# KiCad board USB_Hub.kicad_pcb (continued)
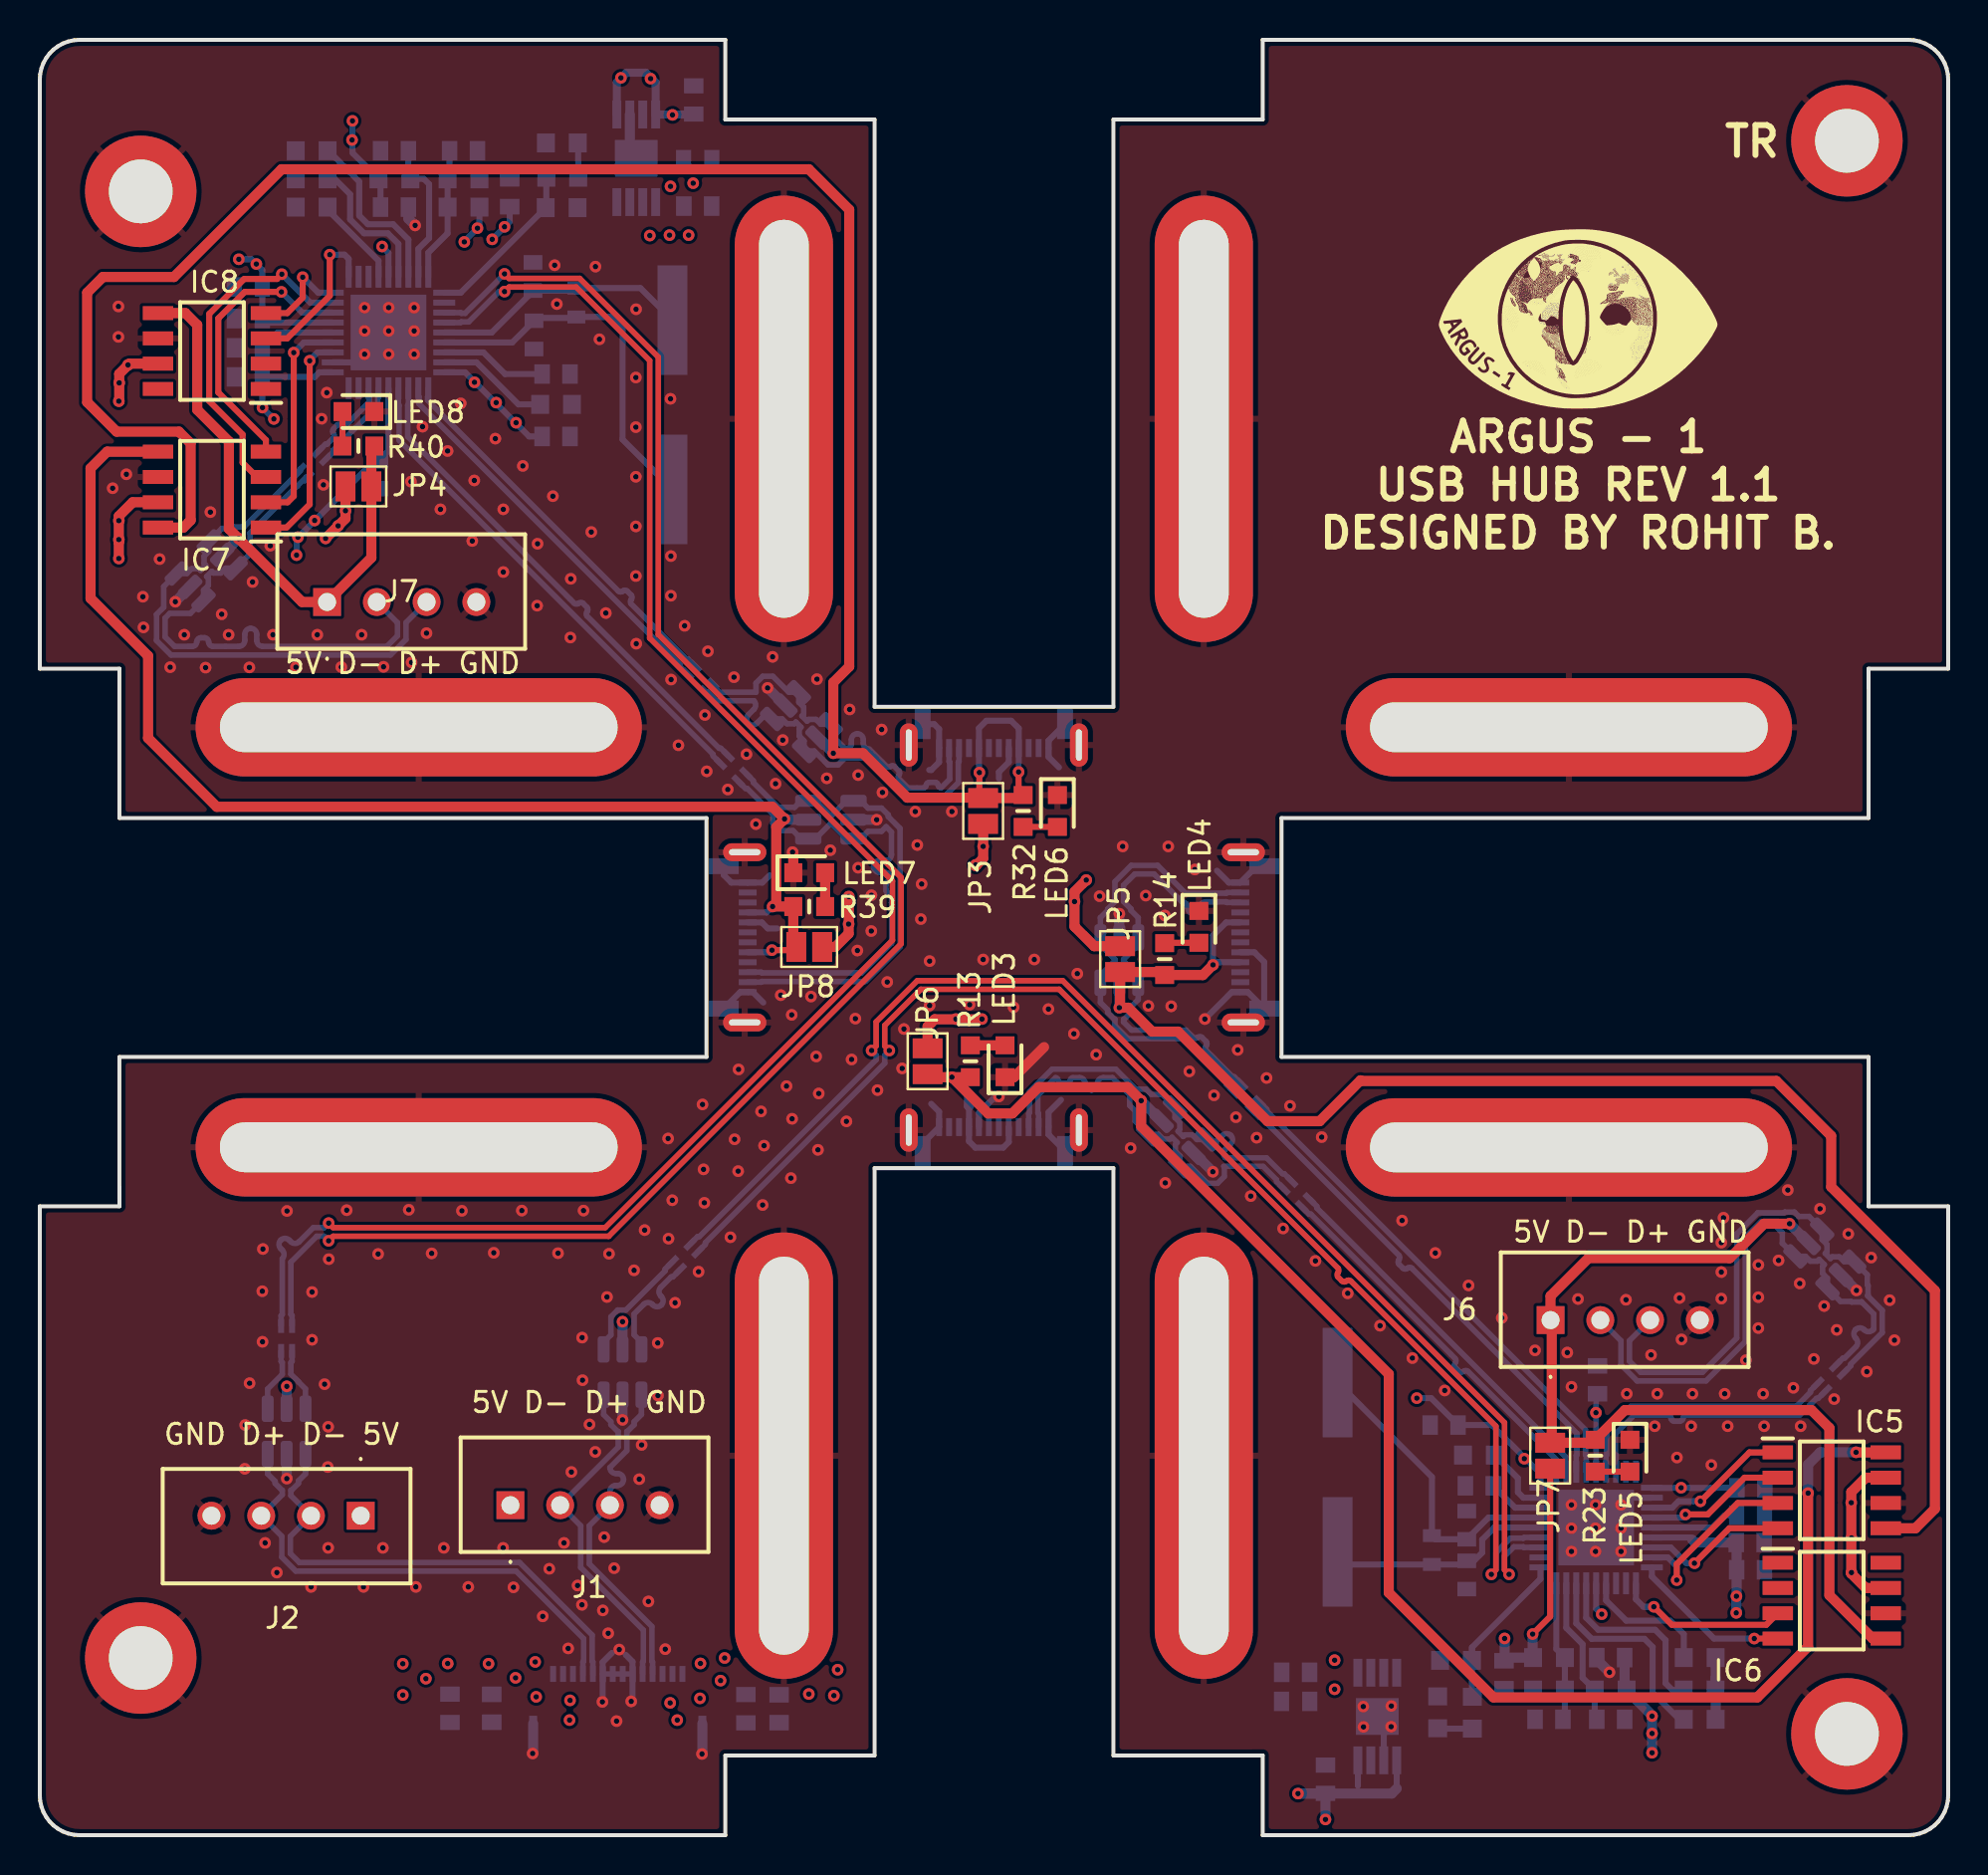
[diagram p0: board, top side]
## Nets
3.3V1: C14.2 C17.2 C21.2 C25.2 C26.2 C27.2 C28.2 C29.2 IC1.1 IC1.2 IC3.5 IC3.10 IC3.15 IC3.23 IC3.36 R3.2
3.3V2: C8.2 C9.2 C22.2 C23.2 C24.2 C30.2 C31.2 C32.2 IC2.1 IC2.2 IC4.5 IC4.10 IC4.15 IC4.23 IC4.36 R21.2
5V1: C13.2 C18.1 C33.2 C36.2 IC1.5 IC1.8 IC5.7 IC6.7 J2.1 J4.1 J4.2 J4.3 JP5.2 JP6.2 JP7.2 R1.2 U8.5
5V2: C5.2 C20.1 C34.2 C35.2 IC2.5 IC2.8 IC7.7 IC8.7 J1.1 J4.12 J4.13 J4.14 JP3.2 JP4.2 JP8.2 R18.2 U7.5
/hub_1/VBUS_DET: C1.2 IC3.27 R1.1 R2.2
/hub_2/VBUS_DET: C11.2 IC4.27 R18.1 R19.2
GND: C1.1 C2.1 C3.1 C4.1 C5.1 C6.1 C7.1 C8.1 C9.1 C10.1 C11.1 C12.1 C13.1 C14.1 C15.1 C16.1 C17.1 C18.2 C19.1 C20.2 C21.1 C22.1 C23.1 C24.1 C25.1 C26.1 C27.1 C28.1 C29.1 C30.1 C31.1 C32.1 C33.1 C34.1 C35.1 C36.1 H1.1 H2.1 H3.1 H4.1 H9.1 H10.1 H11.1 H12.1 H13.1 H14.1 H15.1 H16.1 IC1.4 IC1.6 IC1.9 IC2.4 IC2.6 IC2.9 IC3.11 IC3.37 IC4.11 IC4.37 IC5.6 IC6.6 IC7.6 IC8.6 J1.4 J2.4 J4.6 J4.7 J4.8 J4.9 J4.MP1 J4.MP2 J6.4 J7.4 LED1.1 LED2.1 LED3.1 LED4.1 LED5.1 LED6.1 LED7.1 LED8.1 R2.1 R4.1 R5.1 R6.1 R11.1 R12.1 R16.1 R17.1 R19.1 R22.1 R27.1 R43.1 U1.2 U2.2 U3.2 U4.2 U5.2 U6.2 U7.2 U8.2 USB_C1.A01 USB_C1.A12 USB_C1.B12 USB_C1.GND USB_C1.Shield USB_C2.A01 USB_C2.A12 USB_C2.B12 USB_C2.GND USB_C2.Shield USB_C3.A01 USB_C3.A12 USB_C3.B12 USB_C3.GND USB_C3.Shield USB_C4.A01 USB_C4.A12 USB_C4.B12 USB_C4.GND USB_C4.Shield
/Connectors/1+: FL6.2 U3.1 U3.6 USB_C1.A06
/Connectors/1-: FL6.3 U3.3 U3.4 USB_C1.A07
/Connectors/2+: FL7.2 U4.3 U4.4 USB_C2.A06
/Connectors/2-: FL7.3 U4.1 U4.6 USB_C2.A07
/Connectors/3+: FL8.2 J6.3 U5.1 U5.6
/Connectors/3-: FL8.3 J6.2 U5.3 U5.4
/Connectors_1/4+: FL5.2 U1.1 U1.6 USB_C3.A06
/Connectors_1/4-: FL5.3 U1.3 U1.4 USB_C3.A07
/Connectors_1/5+: FL4.2 U2.3 U2.4 USB_C4.A06
/Connectors_1/5-: FL4.3 U2.1 U2.6 USB_C4.A07
/Connectors_1/6+: FL3.2 J7.3 U6.3 U6.4
/Connectors_1/6-: FL3.3 J7.2 U6.1 U6.6
/hub_1/CFG1: IC3.25 R4.2
/hub_1/SCL/CFG0: IC3.24 R11.2
/hub_1/SDA: IC3.22 R12.2
/hub_1/XTAL1: C6.2 IC3.33 R7.2 Y2.2
/hub_1/XTAL2: C19.2 IC3.32 R7.1 Y2.1
/hub_1/~{RESET}: C2.2 IC3.26 R3.1
/hub_2/CFG1: IC4.25 R17.2
/hub_2/SCL/CFG0: IC4.24 R43.2
/hub_2/SDA: IC4.22 R27.2
/hub_2/XTAL1: C16.2 IC4.33 R20.2 Y1.2
/hub_2/XTAL2: C12.2 IC4.32 R20.1 Y1.1
/hub_2/~{RESET}: C15.2 IC4.26 R21.1
/Upstream/1+: FL1.1 U8.6
/Upstream/1-: FL1.4 U8.4
/Upstream/2+: FL2.4 U7.4
/Upstream/2-: FL2.1 U7.6
D_1_N: FL1.3 IC3.30
D_1_P: FL1.2 IC3.31
D_N_2: FL2.2 IC4.30
D_P_2: FL2.3 IC4.31
P1+: J2.3 J4.4 U8.1
P1-: J2.2 J4.5 U8.3
P2+: J1.3 J4.11 U7.3
P2-: J1.2 J4.10 U7.1
PORT1_N: FL6.4 IC3.1
PORT1_P: FL6.1 IC3.2
PORT2_N: FL7.4 IC3.3
PORT2_P: FL7.1 IC3.4
PORT3_N: FL8.4 IC3.6
PORT3_P: FL8.1 IC3.7
PORT4_N: FL5.4 IC4.1
PORT4_P: FL5.1 IC4.2
PORT5_N: FL4.4 IC4.3
PORT5_P: FL4.1 IC4.4
PORT6_N: FL3.4 IC4.6
PORT6_P: FL3.1 IC4.7
PRTPWR1: IC3.12 IC5.1
PRTPWR2: IC3.16 IC5.4
PRTPWR3: IC3.18 IC6.4
PRTPWR4: IC4.12 IC7.1
PRTPWR5: IC4.16 IC7.4
PRTPWR6: IC4.18 IC8.4
~{OCS1}: IC3.13 IC5.2
~{OCS2}: IC3.17 IC5.3
~{OCS3}: IC3.19 IC6.3
~{OCS4}: IC4.13 IC7.2
~{OCS5}: IC4.17 IC7.3
~{OCS6}: IC4.19 IC8.3
Net-(IC3-CRFILT): C3.2 IC3.14
Net-(IC3-PLLFILT): C4.2 IC3.34
Net-(IC3-RBIAS): IC3.35 R22.2
Net-(IC3-SUSP_IND/LOCAL_PWR/NON_REM0): IC3.28 R5.2 R41.2
Net-(IC4-CRFILT): C7.2 IC4.14
Net-(IC4-PLLFILT): C10.2 IC4.34
Net-(IC4-RBIAS): IC4.35 R6.2
Net-(IC4-SUSP_IND/LOCAL_PWR/NON_REM0): IC4.28 R16.2 R42.2
Net-(IC5-OUTA): IC5.8 JP6.1 R13.2 U3.5 USB_C1.A04 USB_C1.B09
Net-(IC5-OUTB): IC5.5 JP5.1 R14.2 U4.5 USB_C2.A04 USB_C2.B09
Net-(IC6-OUTB): IC6.5 J6.1 JP7.1 R23.2 U5.5
Net-(IC7-OUTA): IC7.8 JP3.1 R32.2 U1.5 USB_C3.A04 USB_C3.B09
Net-(IC7-OUTB): IC7.5 JP8.1 R39.2 U2.5 USB_C4.A04 USB_C4.B09
Net-(IC8-OUTB): IC8.5 J7.1 JP4.1 R40.2 U6.5
Net-(LED1-A): LED1.2 R41.1
Net-(LED2-A): LED2.2 R42.1
Net-(LED3-A): LED3.2 R13.1
Net-(LED4-A): LED4.2 R14.1
Net-(LED5-A): LED5.2 R23.1
Net-(LED6-A): LED6.2 R32.1
Net-(LED7-A): LED7.2 R39.1
Net-(LED8-A): LED8.2 R40.1

Pads without a net: IC1 3 7; IC2 3 7; IC3 8 9 20 21 29; IC4 8 9 20 21 29; IC6 1 2 8; IC8 1 2 8; USB_C1 A02 A03 A05 B10 B11; USB_C2 A02 A03 A05 B10 B11; USB_C3 A02 A03 A05 B10 B11; USB_C4 A02 A03 A05 B10 B11

## Via types
v1: diameter 0.584, hole 0.279, Top to Bottom, 415 vias

## Routing (per net, layer and track width the routed paths; a pad name or vN(x,y) marks a point on that pad's centre or on a via; arc(x,y) is an arc through that point)
3.3V1: length 31.6
  Bottom w0.279: IC3.5 78.2,21.21 v1(78.19,21.22) 78.2,21.23 78.2,22.1 C28.2
  Bottom w0.305: 85.26,14.68 C25.2 ; 85.25,11.18 v1(85.24,11.17) ; IC3.10 81.01,17.44 82.46,17.44 v1(82.47,17.45) 82.48,17.44 C27.2 ; IC3.36 75.4,18.16 74.65,18.91 v1(74.59,18.91) 74.59,18.97 72.96,20.6 C29.2 69.91,21.95 v1(69.19,21.95) ; IC3.23 78.2,11.38 v1(78.48,11.1) ; 83.03,14.84 82.92,14.95 IC3.15 ; 85.26,12.01 v1(85.25,12)
  Bottom w0.508: C25.2 83.17,14.7 83.03,14.84 ; v1(81.01,5.98) v1(81.01,5.11) v1(81.01,4.14) ; 81.03,5.99 R3.2 79.63,7.39 C21.2 ; v1(85.25,12) 85.25,11.18 ; C26.2 85.26,12.01 ; 81.02,5.99 81,5.98 ; 85.26,13.43 85.26,14.68
  vias: v1(65.06,8.79) v1(65.06,7.33)
3.3V2: length 37.3
  Bottom w0.305: IC4.36 21.37,73.47 21.84,73 v1(21.84,72.97) 21.87,72.97 22.89,71.95 v1(22.93,71.95) 22.93,71.91 23.9,70.94 v1(23.93,70.94) 23.93,70.91 24.59,70.25 25.31,70.25 ; 11.55,71.34 v1(11.76,71.13) v1(11.19,71.7) 11.18,71.71 C30.2 13.81,73.24 14.04,73.47 IC4.10 ; v1(17.2,79.79) 17.52,79.47 IC4.23 ; 9.94,79.15 v1(10,79.15) 10.64,79.15 v1(10.88,78.91) 11.18,78.61 C23.2 C24.2 11.38,75.97 IC4.15 ; v1(15.71,86.1) 15.72,86.09 15.72,85.16 v1(15.69,85.14) 15.72,84.49 R21.2 17.12,83.09 C22.2 ; IC4.5 17.52,69.53 C31.2 16.82,69.03 13.82,66.03 v1(13.81,66.03) 13.81,66.02 12.98,65.19 v1(12.97,65.19) 12.97,65.18 12.92,65.13 12.92,64.31 v1(12.9,64.29) 12.92,64.27 12.92,64.23 12.91,64.22
  vias: v1(30.65,80.34) v1(31.69,82.81) v1(31.64,80.36) v1(32.6,80.36) v1(32.83,82.97)
5V1: length 41.9
  Top w0.305: JP7.2 75.89,10.98 v1(75.01,10.1)
  Top w0.508: 92.75,12.42 91.74,12.42 91.02,13.14 91.02,13.18 v1(91.03,13.19) 91.02,13.2 91.02,14.92 v1(91.03,14.93) 91.02,14.94 v1(91.02,16.7) 91.02,17.23 91.74,17.96 IC5.7 ; 47.29,40.98 47.3,40.98 v1(47.34,40.99) 47.28,40.98 46.04,40.98 v1(46.03,40.99) 46.02,40.98 44.97,40.98 44.61,40.62 JP6.2 ; v1(52.58,47.97) 51.99,47.38 v1(51.99,46.89) 51.99,45.64 52.98,44.65 JP5.2
  Bottom w0.305: IC1.8 66.23,2.48 ; IC1.5 68.18,2.34
  Bottom w0.508: v1(64.6,0.79) C13.2 64.59,2.09 v1(63.22,2.09) 67.93,2.09 68.18,2.34 ; v1(73.6,9.88) 73.6,8.79 C18.1 73.73,8.92 R1.2 75.01,8.94 v1(75.01,10.1) ; U8.5 v1(29.28,25.79)
  vias: v1(31.67,6.64) v1(32.03,5.78) v1(33.2,8.63) v1(33.17,6.87) v1(34.21,7.76) v1(34.41,8.9) v1(38.64,7.09) v1(39.9,7.01) v1(40.09,8.31)
5V2: length 29.7
  Top w0.508: 5.94,73.91 4.51,73.91 4.44,73.84 v1(4.43,73.84) 4.43,73.83 3.99,73.39 v1(3.99,72.94) 3.99,72.02 v1(3.97,72.02) 3.97,72.04 4,72.01 ; IC7.7 4.67,66.95 3.97,66.25 3.97,66.03 3.96,66.02 3.97,66.01 3.97,64.95 3.96,64.94 3.97,64.93 v1(3.97,64.12) ; JP8.2 39.97,44.61 40.64,45.28 v1(40.64,45.76) ; 47.01,48.67 47.02,48.68 v1(47.02,48.73) 47.07,48.73 47.4,49.06 v1(47.4,49.66) JP3.2 ; 40.65,45.75 v1(40.64,45.76) ; v1(40.64,45.76) 40.65,45.77 v1(40.65,47.14) 40.65,47.15 ; v1(14.36,65.13) v1(14.99,65.76) 15.36,66.13 v1(15.36,66.52) JP4.2
  Bottom w0.305: 22.74,80.16 v1(22.73,80.15) 23.35,80.77 v1(23.35,80.78) 23.36,80.78 23.61,81.03 C20.1 ; R18.2 22.09,80.81 v1(21.99,80.71) 21.33,80.05 v1(21.33,80.02) 21.3,80.02 21.25,79.97
  Bottom w0.406: 28.99,86.42 28.99,88.04 29.2,88.24 v1(29.2,88.26) 29.22,88.26 29.48,88.52 30.45,88.52 30.69,88.28 v1(30.69,88.22) 30.75,88.22 30.95,88.03 IC2.8 31.77,86.42 v1(31.79,86.4) 31.81,86.42 32.84,86.42 C5.2
  Bottom w0.508: v1(12.41,22.54) 12.41,21.42
  vias: v1(3.97,66.02) v1(3.97,65.07) v1(18.24,8.61) v1(18.24,7.04) v1(19.4,7.86) v1(20.5,8.62) v1(22.55,8.61) v1(23.9,7.9) v1(24.89,8.7) v1(24.94,6.95) v1(26.62,5.78) v1(26.64,6.77)
/hub_1/VBUS_DET: length 7
  Bottom w0.305: IC3.27 76.2,9.35 R1.1 R2.2 76.63,5.92 C1.2
/hub_2/VBUS_DET: length 6.8
  Bottom w0.305: C11.2 20.59,83.29 R19.2 R18.1 20.49,80.45 19.52,79.48 IC4.27
GND: length 79.8
  Top w0.508: 50.46,39.58 48.95,38.07 LED3.1 ; v1(37.82,49.37) 37.86,49.33 LED7.1
  Bottom w0.272: J4.9 J4.6
  Bottom w0.305: IC1.6 67.53,5.08 v1(67.9,5.45) ; 36.35,41.82 35.83,42.34 USB_C4.A12 35.19,42.34 USB_C4.GND 35.07,40.82 USB_C4.Shield ; 51.31,36.93 50.69,36.31 USB_C1.A12 50.69,35.19 USB_C1.GND 51.51,34.71 USB_C1.Shield ; USB_C2.Shield 61.17,41.52 USB_C2.GND ; USB_C2.GND 60.7,42.34 USB_C2.A01 59.89,42.34 v1(58.54,40.99) ; USB_C2.GND 61.52,43.85 61.03,44.34 USB_C2.B12 ; IC4.11 16.02,73.97 IC4.37 ; v1(29.72,6.72) 29.78,6.79 29.78,8.72 29.45,9.05 ; 48.03,36.98 48.15,36.98 v1(48.19,37.1) 47.91,36.98 47.89,36.98 47.19,36.27 USB_C1.B12 ; 36.67,48.21 36.3,47.84 USB_C4.A01 34.75,47.84 34.37,48.22 USB_C4.GND 35.07,49.37 USB_C4.Shield ; USB_C3.GND 50.69,54.98 USB_C3.A01 50.69,54.15 51.21,53.63 ; 44.79,36.73 45.19,36.33 USB_C1.A01 44.36,34.74 USB_C1.GND 43.66,35.06 USB_C1.Shield ; USB_C4.B12 36.28,45.84 36.58,45.54 37.05,45.54 ; 59.15,48.44 59.75,47.84 USB_C2.A12 61.15,48.67 USB_C2.GND 61.17,48.67 USB_C2.Shield ; v1(28.27,6.7) 28.28,6.71 28.28,8.69 28.75,9.15 ; 48.19,53.07 48.19,53.39 48.69,53.89 USB_C3.B12 ; IC3.11 79.8,16.95 79.48,16.63 ; 44.69,53.5 44.8,53.5 45.19,53.89 USB_C3.A12 45.19,55.55 44.94,55.8 USB_C3.GND
  Bottom w0.508: v1(36.57,57.62) 37.46,56.73 U1.2 ; J4.MP2 24.79,4.13 v1(24.76,4.1) ; R12.1 84.2,7.9 ; 84.2,7.9 84.2,7.3 R11.1 ; 84.2,7.9 R4.1 ; U4.2 54.24,46.28 v1(54.24,46.28) ; U2.2 v1(42.05,51) ; 29.64,86.42 29.64,84.55 IC2.9 ; v1(78.87,8.18) 78.23,8.82 C21.1 ; v1(33.27,4.08) 33.29,4.1 J4.MP1 ; v1(18.86,80.85) 18.52,81.19 C22.1 ; v1(91.28,27.36) 90.5,28.14 U5.2 ; v1(12.41,17.91) 12.41,19.14 ; U6.2 v1(6.81,61.95) ; U3.2 57.99,34.27 v1(58.94,33.32) ; U8.2 v1(29.28,20.86)
  vias: v1(3.66,67.65) v1(3.95,76.78) v1(3.95,75.25) v1(4.35,68.35) v1(5.18,62.2) v1(5.21,60.66) v1(6.02,64.09) v1(6.55,58.66) v1(7.26,60.29) v1(8.33,58.64) v1(8.57,66.45) v1(9.14,61.32) v1(9.49,60.29) v1(10.32,20.6) v1(10.3,18.4) v1(10.53,58.65) v1(10.54,22.7) v1(10.69,62.94) v1(11.21,29.44) v1(11.18,27.32) v1(11.19,24.78) v1(11.32,14.68) v1(11.58,64.76) v1(11.72,60.29) v1(11.91,13.19) v1(12.42,31.35) v1(12.87,58.66) v1(13.68,27.28) v1(13.68,24.88) v1(13.63,12.47) v1(13.94,60.29) v1(14.16,71.14) v1(14.25,67.82) v1(14.31,22.65) v1(14.42,72.45) v1(14.52,28.93) v1(14.49,20.51) v1(14.47,18.49) v1(14.49,14.43) v1(15.15,58.67) v1(15.42,31.39) v1(16.17,60.29) v1(16.32,76.72) v1(16.32,75.55) v1(16.32,74.38) v1(16.26,12.47) v1(17,29.19) v1(17.27,58.68) v1(17.24,14.43) v1(17.53,76.72) v1(17.53,75.55) v1(17.53,74.38) v1(18.54,31.41) v1(18.65,67.98) v1(18.68,58.9) v1(18.81,76.72) v1(18.81,75.55) v1(18.81,74.38) v1(18.9,12.47) v1(19.23,70.74) v1(19.43,60.37) v1(19.69,29.22) v1(20.13,66.59) v1(20.3,14.43) v1(20.49,69.52) v1(21.15,71.91) v1(21.21,31.36) v1(21.53,12.47) v1(21.83,68.04) v1(21.73,65) v1(22.81,29.25) v1(22.89,70.14) v1(23.29,66.59) v1(23.29,63.44) v1(23.28,14.43) v1(23.8,12.45) v1(24.22,31.37) v1(24.27,68.77) v1(25.01,64.86) v1(24.99,61.75) v1(25.27,10.99) v1(25.6,13.38) v1(25.78,67.25) v1(25.87,78.85) v1(25.98,76.9) v1(26.04,29.23) v1(26.34,14.68) v1(26.55,9.38) v1(26.68,63.1) v1(26.66,60.15) v1(26.71,18.24) v1(27.02,12.54) v1(27.32,31.37) v1(27.25,24.99) v1(27.27,22.85) v1(27.24,11.57) v1(27.62,20.63) v1(27.71,65.45) v1(27.92,78.78) v1(27.91,19.25) v1(28.12,75.13) v1(28.29,11.29) v1(28.36,14.97) v1(28.44,61.38) v1(28.5,27.03) v1(28.6,29.2) v1(28.56,10.14) v1(28.86,13.41) v1(28.98,5.73) v1(29.12,9.32) v1(29.86,28.37) v1(29.96,76.64) v1(29.95,73.21) v1(29.95,70.72) v1(29.95,68.23) v1(29.95,65.73) v1(29.95,63.24) v1(29.97,59.84) v1(30.12,17.88) v1(30.24,19.6) v1(30.39,30.39) v1(30.58,11.74) v1(31.05,24.72) v1(31.06,22.08) v1(31.43,9.34) v1(31.57,34.99) v1(31.59,29.96) v1(31.69,72.14) v1(31.71,64.24) v1(31.71,62.25) v1(31.72,58.04) v1(31.78,31.89) v1(31.92,26.74) v1(32.09,54.74) v1(32.4,60.74) v1(33.1,28.3) v1(33.3,36.7) v1(33.42,56.26) v1(33.35,33.44) v1(33.39,31.76) v1(33.51,53.43) v1(33.57,59.46) v1(34.57,52.52) v1(34.7,30.03) v1(34.88,58.16) v1(34.91,34.95) v1(35.11,38.46) v1(35.09,33.35) v1(35.51,54.29) v1(35.98,50.78) v1(36.24,36.35) v1(36.32,31.65) v1(36.39,34.63) v1(36.82,59.18) v1(36.97,52.81) v1(37.23,42.19) v1(37.33,55) v1(37.52,37.62) v1(37.78,41.2) v1(37.8,35.98) v1(37.74,33) v1(38.75,42.12) v1(39.01,39.11) v1(39.05,58.06) v1(39.1,34.42) v1(39.14,37.25) v1(39.54,53.08) v1(39.72,49.47) v1(40.53,35.85) v1(40.69,56.54) v1(40.79,38.96) v1(40.98,41.01) v1(41.12,53.24) v1(41.12,48.59) v1(41.08,44.43) v1(41.79,47.21) v1(41.78,45.41) v1(42.09,37.42) v1(42.3,55.53) v1(42.34,52.37) v1(42.58,42.85) v1(43.33,38.51) v1(43.42,40.49) v1(43.99,51.41) v1(44.09,49.73) v1(44.31,47.77) v1(44.27,46.01) v1(44.71,43.9) v1(44.71,41.67) v1(45.83,51.41) v1(46.72,41.71) v1(47.4,43.98) v1(48.93,41.58) v1(49.97,43.98) v1(50.68,41.49) v1(51.96,40.25) v1(52.13,43.27) v1(53.08,39.2) v1(53.25,47.16) v1(54.41,49.66) v1(54.81,34.51) v1(55.57,47.19) v1(55.7,41.65) v1(56.53,46.19) v1(56.55,32.76) v1(56.7,49.66) v1(56.85,41.63) v1(57.76,38.36) v1(58.04,48.5) v1(59,37.16) v1(60.1,36.06) v1(60.19,39.44) v1(60.85,32.1) v1(61.14,35.03) v1(61.64,38.03) v1(62.47,30.47) v1(62.82,36.63) v1(64.09,28.84) v1(64.41,35.06) v1(65.72,27.22) v1(66.5,6.46) v1(66.51,5.44) v1(67.34,25.59) v1(67.91,6.49) v1(68.45,30.87) v1(68.97,23.96) v1(70.12,29.24) v1(70.59,22.33) v1(71.79,27.61) v1(73.46,25.98) v1(75.13,24.35) v1(76.75,24.24) v1(76.96,22.52) v1(76.96,16.59) v1(76.96,15.42) v1(76.96,14.25) v1(77.29,26.93) v1(78.17,16.59) v1(78.17,15.42) v1(78.17,14.25) v1(79.45,16.59) v1(79.45,15.42) v1(79.45,14.25) v1(79.7,26.89) v1(79.74,22.17) v1(80.96,24.12) v1(81.14,20.54) v1(81.27,22.17) v1(82.26,18.97) v1(82.39,26.98) v1(82.49,24.9) v1(82.98,20.54) v1(83.04,22.17) v1(83.99,18.59) v1(84.49,29.76) v1(84.49,28.28) v1(84.49,26.95) v1(84.6,31.01) v1(84.66,22.17) v1(84.81,20.54) v1(85.72,23.86) v1(86.35,28.64) v1(86.35,27.02) v1(86.35,25.47) v1(86.59,22.17) v1(86.64,20.54) v1(87.37,28.87) v1(87.83,32.4) v1(88.11,22.47) v1(88.43,27.71) v1(88.48,20.54) v1(89.14,23.92) v1(89.45,31.46) v1(89.66,26.58) v1(90.16,21.9) v1(90.29,25.38) v1(90.87,30.2) v1(91.8,23.28) v1(92.02,29.01) v1(92.95,26.87) v1(93.19,24.86)
/Connectors/1+: length 20
  Bottom w0.272: USB_C1.A06 49.69,36.24 49.72,36.28 49.72,37.33 50.86,38.47 54.07,38.47 55.07,37.47 55.58,37.47 55.85,37.21 56.38,37.21 U3.6 57.04,36.03 57.28,35.8 57.28,35.44 57.19,35.35 57.45,35.09 57.54,35.18 57.9,35.18 58.13,34.94 U3.1 58.72,34.87 arc(58.93,34.78) 59.14,34.87 59.42,35.15 arc(59.64,35.24) 59.85,35.15 arc(59.94,34.94) 59.85,34.73 59.57,34.44 arc(59.48,34.23) 59.57,34.02 61.64,34.02 62.44,33.22 62.53,33.22 FL6.2
/Connectors/1-: length 20.2
  Bottom w0.272: FL6.3 62.14,32.83 62.14,32.92 61.47,33.59 59.49,33.59 59.52,33.56 59.52,33.08 59.18,32.74 58.67,32.74 57.81,33.59 U3.3 57.3,34.11 57.06,34.34 57.06,34.7 57.15,34.79 56.89,35.05 56.8,34.96 56.44,34.96 56.21,35.2 U3.4 55.03,35.86 55.03,36.37 54.76,36.65 54.76,37.18 53.89,38.05 53.44,38.05 arc(53.23,37.96) 53.14,37.75 53.14,37.72 arc(53.05,37.51) 52.84,37.42 arc(52.63,37.51) 52.54,37.72 52.54,37.75 arc(52.45,37.96) 52.24,38.05 51.91,38.05 arc(51.81,38.01) 51.77,37.91 arc(51.73,37.82) 51.64,37.78 51.31,37.78 arc(51.21,37.82) 51.17,37.91 arc(51.13,38.01) 51.04,38.05 50.15,37.16 50.15,36.28 50.19,36.24 USB_C1.A07
/Connectors/2+: length 23.1
  Bottom w0.279: USB_C2.A06 59.65,46.84 59.61,46.88 58.59,46.88 arc(58.38,46.79) 58.29,46.58 58.29,46.56 arc(58.2,46.35) 57.99,46.26 arc(57.78,46.35) 57.69,46.56 57.69,46.58 arc(57.6,46.79) 57.39,46.88 55.99,48.27 55.02,48.27 54.46,47.71 54.46,46.89 54.83,46.52 54.83,46.44 55.19,46.08 U4.3 55.19,44.73 54.46,43.99 54.46,43.91 55.19,43.18 U4.4 55.19,41.97 54.83,41.6 54.83,41.32 54.48,40.98 54.46,40.98 54.46,40.84 54.86,40.44 57.59,40.44 57.96,40.07 arc(58.07,40.02) 58.18,40.07 arc(58.29,40.11) 58.4,40.07 58.6,39.86 arc(58.65,39.75) 58.6,39.64 arc(58.56,39.53) 58.6,39.42 59.93,38.09 60.02,38.09 FL7.2
/Connectors/2-: length 23.1
  Bottom w0.279: FL7.3 59.63,37.7 59.63,37.79 57.41,40 54.68,40 54.02,40.66 54.02,40.98 54,40.98 53.66,41.32 53.66,41.45 53.29,41.82 U4.6 53.29,43.18 54.02,43.91 54.02,43.99 53.29,44.73 U4.1 53.29,46.08 53.66,46.45 53.66,46.52 54.02,46.89 54.02,47.89 54.84,48.71 56.17,48.71 57.57,47.31 59.61,47.31 59.65,47.34 USB_C2.A07
/Connectors/3+: length 29.2
  Bottom w0.279: J6.3 79.88,24.84 79.88,23.81 80.44,23.25 83.54,23.25 85.26,24.97 85.26,30.2 86.32,31.26 87.64,31.26 87.68,31.29 88.16,31.29 88.38,31.08 88.9,31.08 U5.6 89.56,29.91 89.8,29.67 89.8,29.31 89.71,29.22 89.97,28.96 90.06,29.05 90.42,29.05 90.66,28.81 U5.1 91.83,28.15 91.83,27.64 91.86,27.6 91.86,27.12 91.84,27.09 92.58,26.36 92.58,25.24 90.99,23.66 90.99,23.57 FL8.2
/Connectors/3-: length 29.4
  Bottom w0.279: J6.2 79.44,24.84 79.44,23.63 80.26,22.81 83.72,22.81 85.7,24.79 85.7,30.02 86.5,30.83 87.34,30.83 87.34,30.47 87.55,30.25 87.55,29.73 U5.4 88.72,29.07 88.96,28.83 89.32,28.83 89.41,28.92 89.67,28.66 89.58,28.57 89.58,28.21 89.82,27.97 U5.3 90.48,26.8 91.01,26.8 91.04,26.78 91.52,26.78 91.54,26.79 92.14,26.18 92.14,25.42 92.1,25.38 arc(91.89,25.29) 91.68,25.38 91.66,25.39 arc(91.45,25.48) 91.24,25.39 arc(91.15,25.18) 91.24,24.97 91.25,24.95 arc(91.34,24.74) 91.25,24.53 90.69,23.96 90.6,23.96 FL8.3
/Connectors_1/4+: length 19.5
  Bottom w0.279: FL5.2 33.52,57.42 33.97,56.97 35.88,56.97 arc(35.97,56.76) 35.88,56.55 35.6,56.27 arc(35.51,56.06) 35.6,55.84 arc(35.81,55.76) 36.02,55.84 36.31,56.13 arc(36.52,56.21) 36.73,56.13 U1.1 37.3,56.06 37.54,55.82 37.9,55.82 37.99,55.91 38.25,55.65 38.16,55.56 38.16,55.2 38.4,54.96 U1.6 38.91,54.45 39.61,53.76 40.11,53.76 40.45,54.1 40.45,54.11 41.5,54.11 43.45,52.16 45.46,52.16 46.15,52.86 46.15,53.89 46.19,53.93 USB_C3.A06
/Connectors_1/4-: length 19.5
  Bottom w0.279: USB_C3.A07 45.69,53.93 45.72,53.89 45.72,53.04 45.28,52.6 arc(45.18,52.64) 45.14,52.74 arc(45.1,52.83) 45,52.88 44.68,52.88 arc(44.58,52.83) 44.54,52.74 arc(44.5,52.64) 44.4,52.6 43.63,52.6 43.17,53.06 arc(43.13,53.15) 43.17,53.25 arc(43.21,53.35) 43.17,53.45 42.94,53.68 arc(42.84,53.72) 42.75,53.68 arc(42.65,53.64) 42.55,53.68 41.68,54.55 arc(41.47,54.63) 41.38,54.85 41.38,55.02 arc(41.29,55.23) 41.08,55.32 arc(40.87,55.23) 40.78,55.02 40.78,54.85 arc(40.69,54.63) 40.48,54.55 40.45,54.55 40.45,54.58 39.75,55.29 U1.4 39.24,55.8 39,56.04 38.64,56.04 38.55,55.95 38.29,56.21 38.38,56.3 38.38,56.66 38.14,56.9 U1.3 37.63,57.41 36.83,58.2 36.33,58.2 35.99,57.86 35.99,57.41 34.15,57.41 33.83,57.73 FL5.3
/Connectors_1/5+: length 25.2
  Bottom w0.279: FL4.2 35.46,52.57 35.55,52.57 36.84,51.28 36.84,50.8 37.18,50.45 37.85,50.45 38.25,50.05 U2.4 38.98,50.05 39.71,50.78 39.79,50.78 40.52,50.05 U2.3 41.25,50.05 41.62,50.42 42.29,50.42 42.53,50.65 42.79,50.38 42.79,49.25 arc(42.71,49.04) 42.49,48.95 42.19,48.95 arc(41.98,48.86) 41.89,48.65 arc(41.98,48.44) 42.19,48.35 42.49,48.35 arc(42.71,48.26) 42.79,48.05 arc(42.75,47.95) 42.65,47.91 arc(42.56,47.87) 42.51,47.77 42.51,47.45 arc(42.56,47.35) 42.65,47.31 arc(42.75,47.27) 42.79,47.17 42.79,44.8 41.3,43.31 36.28,43.31 36.24,43.34 USB_C4.A06
/Connectors_1/5-: length 24.2
  Bottom w0.279: USB_C4.A07 36.24,42.84 36.28,42.88 41.48,42.88 43.23,44.62 43.23,50.56 42.63,51.15 42.63,51.24 42.29,51.58 41.62,51.58 41.25,51.95 U2.1 40.52,51.95 39.79,51.22 39.71,51.22 38.98,51.95 U2.6 38.25,51.95 37.92,51.62 37.1,51.62 35.85,52.87 35.85,52.96 FL4.3
/Connectors_1/6+: length 28.4
  Bottom w0.279: FL3.2 13.09,68.52 12.76,68.18 12.74,68.18 10.25,65.69 10.23,65.71 9.75,65.71 9.68,65.64 9.15,65.64 U6.4 8.49,64.47 8.25,64.23 8.25,63.87 8.34,63.78 8.08,63.52 7.99,63.61 7.63,63.61 7.39,63.37 U6.3 6.22,62.71 6.22,61.67 5.86,61.31 5.86,60 6.59,59.27 17.62,59.27 18.4,60.06 18.4,60.9 J7.3
/Connectors_1/6-: length 28.5
  Bottom w0.279: FL3.3 13.4,68.21 12.95,67.76 12.93,67.76 10.55,65.39 10.58,65.36 10.58,64.88 10.5,64.8 10.5,64.29 U6.6 9.33,63.63 9.09,63.39 8.73,63.39 8.64,63.48 8.38,63.22 8.47,63.13 8.47,62.77 8.23,62.53 U6.1 7.57,61.36 6.53,61.36 6.3,61.13 6.3,60.18 6.77,59.71 7.67,59.71 arc(7.82,59.77) 7.88,59.92 arc(7.95,60.08) 8.1,60.14 8.27,60.14 arc(8.42,60.08) 8.48,59.92 arc(8.55,59.77) 8.7,59.71 10,59.71 arc(10.21,59.79) 10.3,60.01 10.3,60.31 arc(10.39,60.52) 10.6,60.61 arc(10.81,60.52) 10.9,60.31 10.9,60.01 arc(10.99,59.79) 11.2,59.71 17.44,59.71 17.97,60.23 17.97,60.9 J7.2
/hub_1/CFG1: length 10.8
  Bottom w0.305: IC3.25 77.2,10.64 77.98,9.86 80.63,9.86 81.04,9.45 81.04,7.16 82.38,5.82 R4.2
/hub_1/SCL/CFG0: length 9.4
  Bottom w0.305: R11.2 82.03,7.29 81.69,7.63 81.69,9.79 81.16,10.32 78.3,10.32 77.7,10.92 IC3.24
/hub_1/SDA: length 6.6
  Bottom w0.305: R12.2 82.6,10.1 81.93,10.77 79.72,10.77 78.7,11.79 IC3.22
/hub_1/XTAL1: length 15.6
  Bottom w0.305: Y2.2 69.95,17.99 69.95,15.05 70.14,14.86 C6.2 72.79,15.95 IC3.33
/hub_1/XTAL2: length 11.6
  Bottom w0.305: Y2.1 65.85,13.6 R7.1 71.52,13.6 C19.2 72.06,13.78 72.47,14.19 72.47,14.84 73.08,15.45 IC3.32
/hub_1/~{RESET}: length 7.5
  Bottom w0.305: C2.2 78.13,5.92 R3.1 77.52,7.9 77.52,9.59 76.7,10.41 IC3.26
/hub_2/CFG1: length 8.8
  Bottom w0.305: R17.2 14.5,84.6 16.05,83.05 16.05,81.34 16.48,80.91 17.75,80.91 18.52,80.14 IC4.25
/hub_2/SCL/CFG0: length 7.3
  Bottom w0.305: R43.2 14.81,83.19 15.59,82.41 15.59,81.15 16.29,80.45 17.49,80.45 18.02,79.92 IC4.24
/hub_2/SDA: length 4.6
  Bottom w0.305: R27.2 14.46,81.64 17.02,79.08 IC4.22
/hub_2/XTAL1: length 18.9
  Bottom w0.305: IC4.33 23.74,74.97 C16.2 24.97,76.2 26.91,76.2 R20.2 28.74,76.25 29.28,75.71 29.28,70.1 Y1.2
/hub_2/XTAL2: length 13.1
  Bottom w0.305: IC4.32 22.71,75.47 24.78,77.54 24.78,77.57 26.83,77.57 R20.1 30.18,77.7 Y1.1
/hub_2/~{RESET}: length 7.4
  Bottom w0.305: IC4.26 19.02,79.67 19.56,80.21 19.56,82.92 19.29,83.19 R21.1 18.52,83.29 C15.2
/Upstream/1+: length 6
  Bottom w0.279: U8.6 30.23,24.76 29.86,25.13 29.86,26.18 30.35,26.66 arc(30.56,26.75) 30.77,26.66 30.81,26.63 arc(31.02,26.54) 31.23,26.63 arc(31.32,26.84) 31.23,27.05 31.2,27.09 arc(31.11,27.3) 31.2,27.51 31.72,28.04 31.81,28.04 FL1.1
/Upstream/1-: length 6.1
  Bottom w0.279: FL1.4 31.42,28.43 31.42,28.34 29.45,26.37 29.04,26.37 28.7,26.03 28.7,25.13 28.33,24.76 U8.4
/Upstream/2+: length 3.2
  Bottom w0.279: U7.4 11.45,22.41 12.18,23.15 12.18,23.74 12.12,23.79 FL2.4
/Upstream/2-: length 3.2
  Bottom w0.279: U7.6 13.35,22.41 12.99,22.77 12.99,22.78 12.62,23.16 12.62,23.74 12.67,23.79 FL2.1
D_1_N: length 67.6
  Top w0.279: v1(73.82,13.1) 73.6,13.33 73.6,20.72 51.4,42.92 44.09,42.92 42.02,40.85 42.02,39.64 v1(41.8,39.41)
  Bottom w0.279: FL1.3 33.05,30.06 33.14,30.06 42.02,38.95 42.02,39.18 v1(41.8,39.41) ; IC3.30 74.57,14.45 74.54,14.48 74.07,14.48 73.6,14.01 73.6,13.33 v1(73.82,13.1)
D_1_P: length 67.6
  Top w0.279: v1(42.68,39.41) 42.46,39.64 42.46,40.67 44.27,42.48 51.22,42.48 65.23,28.48 arc(65.27,28.37) 65.23,28.26 arc(65.18,28.15) 65.23,28.03 65.43,27.83 arc(65.54,27.79) 65.65,27.83 arc(65.76,27.88) 65.87,27.83 73.16,20.54 73.16,13.33 v1(72.94,13.1)
  Bottom w0.279: IC3.31 74.57,14.95 74.54,14.92 73.89,14.92 73.16,14.19 73.16,13.33 v1(72.94,13.1) ; FL1.2 33.44,29.67 33.44,29.76 42.46,38.77 42.46,39.18 v1(42.68,39.41)
D_N_2: length 88.5
  Top w0.279: v1(14.51,29.85) 14.74,30.08 28.59,30.08 43.28,44.77 43.28,48.1 31.08,60.3 31.08,74.24 27.13,78.19 23.58,78.19 v1(23.35,78.41)
  Bottom w0.279: v1(14.51,29.85) 14.29,30.08 13.92,30.08 12.62,28.78 12.62,26.15 12.67,26.1 FL2.2 ; IC4.30 21.15,76.47 21.18,76.44 21.37,76.44 v1(23.35,78.41)
D_P_2: length 88.5
  Top w0.279: v1(23.35,77.53) 23.58,77.75 26.95,77.75 30.64,74.06 30.64,60.12 42.84,47.92 42.84,44.95 28.41,30.51 14.74,30.51 v1(14.51,30.74)
  Bottom w0.279: IC4.31 21.15,75.97 21.18,76 21.55,76 23.07,77.53 v1(23.35,77.53) ; FL2.3 12.12,26.1 12.18,26.15 12.18,28.96 arc(12.27,29.17) 12.18,29.38 12.11,29.46 arc(12.02,29.67) 12.11,29.89 arc(12.32,29.97) 12.53,29.89 12.61,29.81 arc(12.82,29.72) 13.03,29.81 13.74,30.51 14.29,30.51 v1(14.51,30.74)
P1+: length 17.3
  Bottom w0.279: U8.1 30.23,21.13 29.86,20.76 29.86,20.62 29.52,20.28 29.5,20.28 29.5,19.32 28.64,18.46 arc(28.73,18.25) 28.95,18.16 29.03,18.16 arc(29.24,18.08) 29.33,17.86 arc(29.24,17.65) 29.03,17.56 28.95,17.56 arc(28.73,17.48) 28.64,17.26 28.64,16.58 27.61,15.54 27.61,13.62 30.76,10.48 30.76,8.73 30.79,8.7 J4.4
P1-: length 17.3
  Bottom w0.279: U8.3 28.33,21.13 28.7,20.76 28.7,20.62 29.04,20.28 29.06,20.28 29.06,19.49 J2.2 27.18,15.54 27.18,13.45 30.32,10.3 30.32,8.73 30.29,8.7 J4.5
P2+: length 25
  Bottom w0.279: J4.11 27.29,8.7 27.32,8.73 27.32,9.87 23.93,13.26 12.86,13.26 12.16,13.97 12.16,15.01 J1.3 12.18,17.1 12.18,17.33 12.17,17.33 11.83,17.67 11.83,17.77 11.45,18.15 U7.3
P2-: length 25
  Bottom w0.279: U7.1 13.35,18.15 12.99,17.79 12.99,17.67 12.65,17.33 12.62,17.33 12.62,17.05 J1.2 12.59,15.01 12.59,14.14 13.04,13.7 24.11,13.7 27.76,10.05 27.76,8.73 27.79,8.7 J4.10
PORT1_N: length 19.1
  Bottom w0.279: IC3.1 76.2,18.65 76.23,18.68 76.23,18.82 71.76,23.29 arc(71.65,23.34) 71.54,23.29 arc(71.43,23.25) 71.32,23.29 71.12,23.5 arc(71.07,23.61) 71.12,23.72 arc(71.16,23.83) 71.12,23.94 63.86,31.2 63.78,31.2 FL6.4
PORT1_P: length 19.1
  Bottom w0.279: IC3.2 76.7,18.65 76.67,18.68 76.67,19 64.17,31.5 64.17,31.59 FL6.1
PORT2_N: length 25.4
  Bottom w0.279: FL7.4 61.26,36.07 61.35,36.07 68.29,29.12 arc(68.34,29.01) 68.29,28.9 arc(68.25,28.79) 68.29,28.68 68.5,28.48 arc(68.61,28.43) 68.72,28.48 arc(68.83,28.52) 68.94,28.48 77.23,20.18 77.23,19.11 77.2,19.08 IC3.3
PORT2_P: length 25.4
  Bottom w0.279: IC3.4 77.7,19.08 77.67,19.11 77.67,20.36 61.65,36.37 61.65,36.46 FL7.1
PORT3_N: length 13.7
  Bottom w0.279: IC3.6 78.7,19.08 78.73,19.11 78.73,20.33 79.94,21.54 88.26,21.54 88.97,22.24 88.97,22.33 FL8.4
PORT3_P: length 13.7
  Bottom w0.279: IC3.7 79.2,19.08 79.17,19.11 79.17,20.15 80.12,21.1 81.81,21.1 arc(81.92,21.06) 81.96,20.95 arc(82.01,20.84) 82.12,20.79 82.41,20.79 arc(82.52,20.84) 82.56,20.95 arc(82.61,21.06) 82.72,21.1 88.44,21.1 89.27,21.94 89.36,21.94 FL8.1
PORT4_N: length 20
  Bottom w0.279: IC4.1 19.52,72.27 19.49,72.24 19.49,72.07 29.07,62.48 arc(29.18,62.44) 29.29,62.48 arc(29.4,62.53) 29.51,62.48 29.72,62.28 arc(29.76,62.17) 29.72,62.06 arc(29.67,61.95) 29.72,61.84 32.48,59.07 32.57,59.07 FL5.4
PORT4_P: length 20
  Bottom w0.279: FL5.1 32.18,58.68 32.18,58.77 19.05,71.89 19.05,72.24 19.02,72.27 IC4.2
PORT5_N: length 25.5
  Bottom w0.279: IC4.3 18.52,71.84 18.49,71.81 18.49,70.24 26.85,61.87 arc(26.96,61.83) 27.07,61.87 arc(27.18,61.92) 27.3,61.87 27.5,61.67 arc(27.54,61.56) 27.5,61.45 arc(27.45,61.34) 27.5,61.23 34.13,54.59 34.22,54.59 FL4.4
PORT5_P: length 25.5
  Bottom w0.279: IC4.4 18.02,71.84 18.05,71.81 18.05,70.06 33.83,54.29 33.83,54.2 FL4.1
PORT6_N: length 4.7
  Bottom w0.279: IC4.6 17.02,72.27 16.99,72.24 16.99,71.8 14.74,69.56 14.74,69.47 FL3.4
PORT6_P: length 4.7
  Bottom w0.279: FL3.1 14.35,69.86 14.44,69.86 14.75,70.18 arc(14.8,70.29) 14.75,70.4 arc(14.71,70.51) 14.75,70.62 14.95,70.82 arc(15.06,70.87) 15.18,70.82 arc(15.29,70.78) 15.4,70.82 16.55,71.98 16.55,72.24 16.52,72.27 IC4.7
PRTPWR1: length 7.5
  Top w0.305: v1(83.44,16.77) 83.45,16.77 85.91,19.23 IC5.1
  Bottom w0.305: v1(83.44,16.77) 82.34,16.77 82.02,16.45 IC3.12
PRTPWR2: length 7.4
  Top w0.305: v1(83.14,13.66) 84.89,15.42 IC5.4
  Bottom w0.305: v1(83.14,13.66) 82.74,13.66 81.95,14.45 IC3.16
PRTPWR3: length 8.1
  Top w0.305: v1(86.14,9.88) IC6.4
  Bottom w0.305: IC3.18 81,13 84.12,9.88 v1(86.14,9.88)
PRTPWR4: length 11.2
  Top w0.305: v1(13.56,74.05) 13.56,66.84 12.4,65.68 IC7.1
  Bottom w0.305: 13.55,74.07 13.95,74.47 IC4.12
PRTPWR5: length 14.4
  Top w0.305: v1(12.14,77.51) 10.3,77.51 8.97,76.18 8.97,72.46 11.36,70.07 IC7.4
  Bottom w0.305: v1(12.14,77.51) 13.18,76.47 IC4.16
PRTPWR6: length 5
  Top w0.305: v1(13.21,78.25) 13.21,77.23 12.43,76.45 IC8.4
  Bottom w0.305: IC4.18 13.99,77.47 v1(13.21,78.25)
~{OCS1}: length 7.2
  Top w0.305: IC5.2 85.66,17.96 83.81,16.11 v1(82.69,16.11)
  Bottom w0.305: IC3.13 82.53,15.95 v1(82.69,16.11)
~{OCS2}: length 9.3
  Top w0.305: 87.33,16.69 85.32,16.69 82.25,13.61 v1(82.25,12.81)
  Bottom w0.305: v1(82.25,12.81) 82.25,13.5 81.8,13.95 IC3.17
~{OCS3}: length 8.7
  Top w0.305: IC6.3 86.75,10.57 82,10.57 v1(81.1,11.47)
  Bottom w0.305: IC3.19 80.2,11.85 80.58,11.47 v1(81.1,11.47)
~{OCS4}: length 10.9
  Top w0.305: v1(12.76,74.46) 12.76,67.25 12.45,66.95 IC7.2
  Bottom w0.305: IC4.13 13.27,74.97 v1(12.76,74.46)
~{OCS5}: length 17.3
  Top w0.305: IC7.3 10.91,68.22 10.19,68.93 10.19,70.35 8.51,72.03 8.51,76.4 10.27,78.16 11.92,78.16 v1(12.16,78.4)
  Bottom w0.305: IC4.17 13.59,76.97 v1(12.16,78.4)
~{OCS6}: length 8.1
  Top w0.305: v1(14.57,79.38) 14.57,77.32 12.43,75.18 IC8.3
  Bottom w0.305: v1(14.57,79.38) 15.31,79.38 15.52,79.17 IC4.19
Net-(IC3-CRFILT): length 4.5
  Bottom w0.305: C3.2 84.67,16.07 84.05,15.45 IC3.14
Net-(IC3-PLLFILT): length 2.8
  Bottom w0.305: IC3.34 74.13,16.45 C4.2
Net-(IC3-RBIAS): length 3.6
  Bottom w0.305: R22.2 74.27,17.93 74.27,17.23 74.55,16.95 IC3.35
Net-(IC3-SUSP_IND/LOCAL_PWR/NON_REM0): length 8.5
  Bottom w0.305: 71.96,9.35 R5.2 ; R5.2 71.96,9.43 75.4,12.87 IC3.28 ; R5.2 71.96,6.97 R41.2
Net-(IC4-CRFILT): length 3.9
  Bottom w0.305: IC4.14 11.95,75.47 C7.2
Net-(IC4-PLLFILT): length 5.4
  Bottom w0.305: C10.2 23.38,73.38 22.29,74.47 IC4.34
Net-(IC4-RBIAS): length 5.7
  Bottom w0.305: R6.2 24.05,71.86 21.94,73.97 IC4.35
Net-(IC4-SUSP_IND/LOCAL_PWR/NON_REM0): length 8.4
  Bottom w0.305: IC4.28 21.15,77.47 R16.2 25.45,81.77 R42.2
Net-(IC5-OUTA): length 88.8
  Top w0.508: IC5.8 91.27,19.23 v1(91.26,19.23) ; v1(88.85,17.18) 88.85,9.47 86.3,6.92 73.04,6.92 67.78,12.18 67.78,23.16 55.34,35.6 v1(55.34,36.89) 54.66,37.57 50.19,37.57 48.87,36.25 47.65,36.25 v1(45.83,38.07) ; JP6.1 44.76,38.07 v1(45.83,38.07) ; v1(45.83,38.07) R13.2
  Bottom w0.305: 46.68,36.63 46.69,36.62 USB_C1.A04 46.69,34.85 47.01,34.53 48.41,34.53 48.69,34.81 USB_C1.B09
  Bottom w0.508: v1(45.83,38.07) 46.69,37.21 46.69,36.64 46.68,36.63 ; v1(91.26,19.23) 89.46,19.23 88.85,18.62 v1(88.85,17.18) ; v1(55.34,36.89) 56.36,35.87 U3.5
Net-(IC5-OUTB): length 76.4
  Top w0.508: v1(58.95,43.71) 58.44,43.2 R14.2 56.37,43.35 JP5.1 54.28,41.6 v1(54.24,41.56) 54.69,41.56 55.89,40.36 57.19,40.36 61.69,35.86 64.31,35.86 66.36,37.91 66.39,37.88 87.25,37.88 90.01,35.12 90.01,32.56 95.22,27.35 95.22,16.39 94.24,15.42 IC5.5
  Bottom w0.305: USB_C2.B09 59.61,45.84 58.95,45.18 v1(58.95,43.71) 59.08,43.84 USB_C2.A04
  Bottom w0.508: U4.5 54.24,41.56 v1(54.24,41.56)
Net-(IC6-OUTB): length 49.5
  Top w0.508: v1(87.92,30.71) 86.64,30.71 84.91,28.98 77.81,28.98 75.91,27.08 J6.1 75.97,25.81 75.97,19.79 JP7.1 78.01,19.71 R23.2 79.64,21.35 89.02,21.35 89.92,20.45 89.92,12.05 92.1,9.88 IC6.5
  Bottom w0.508: U5.5 v1(87.92,30.71)
Net-(IC7-OUTA): length 107.6
  Top w0.305: v1(47.21,53.37) 47.21,52.28 JP3.1 ; v1(49.18,53.4) 49.18,52.47 R32.2
  Top w0.508: IC7.8 7.22,65.68 7.58,66.04 7.58,69.9 6.99,70.49 3.86,70.49 2.38,71.97 2.38,77.47 3.17,78.26 6.74,78.26 12.15,83.67 38.64,83.67 40.67,81.64 40.67,58.69 39.87,57.89 v1(39.87,54.34) 41.36,54.34 43.59,52.11 47.38,52.11 JP3.1 49.26,52.09 R32.2
  Bottom w0.305: v1(49.18,53.4) 49.19,53.41 USB_C3.A04 49.19,55.59 48.81,55.97 47.56,55.97 47.19,55.6 USB_C3.B09 47.19,53.39 v1(47.21,53.37)
  Bottom w0.508: U1.5 39.08,55.13 v1(39.87,54.34)
Net-(IC7-OUTB): length 65.1
  Top w0.305: JP8.1 37.85,44.45 v1(36.79,44.45)
  Top w0.508: IC7.5 3.39,69.49 2.55,68.65 2.55,62.12 5.44,59.23 5.44,55.1 8.89,51.65 36.81,51.65 v1(37.42,51.04) 37,50.62 37,46.82 v1(36.82,46.64) R39.2 37.86,44.76 JP8.1
  Bottom w0.305: USB_C4.A04 36.52,46.34 v1(36.82,46.64) ; v1(36.79,44.45) 36.68,44.34 USB_C4.B09
  Bottom w0.508: v1(37.42,51.04) 37.46,51 U2.5
Net-(IC8-OUTB): length 29.6
  Top w0.508: R40.2 16.66,69.62 JP4.1 16.66,64.16 J7.1 13.18,61.94 v1(9.99,65.12) 9.5,65.61 9.5,70 7.91,71.59 7.91,75.85 7.31,76.45 IC8.5
  Bottom w0.508: U6.5 9.17,64.3 v1(9.99,65.12)
Net-(LED1-A): length 1.7
  Bottom w0.305: R41.1 70.26,5.35 LED1.2
Net-(LED2-A): length 1.7
  Bottom w0.305: LED2.2 27.05,84.97 R42.1
Net-(LED3-A): length 1.7
  Top w0.508: LED3.2 R13.1
Net-(LED4-A): length 1.7
  Top w0.305: LED4.2 56.54,44.82 R14.1
Net-(LED5-A): length 1.7
  Top w0.305: R23.1 LED5.2
Net-(LED6-A): length 1.7
  Top w0.305: R32.1 LED6.2
Net-(LED7-A): length 1.7
  Top w0.508: R39.1 LED7.2
Net-(LED8-A): length 1.7
  Top w0.305: LED8.2 R40.1

## Copper pours and planes (outline as drawn; the poured copper is in the pictures)
3.3V1 on Bottom: 67.21,7.25 65.58,7.25 64.44,6 63.19,6 63.19,9.28 67.21,9.28
3.3V1 on In1.Cu: 53.01,93.33 96.3,93.02 96.35,-3.58 42.15,-3.21 42.24,36.09 53.5,51.33
3.3V2 on Bottom: 29.97,83.15 29.98,79.71 33.32,79.71 33.31,85.84 31.4,85.84 31.4,83.15
3.3V2 on In1.Cu: 41.86,-3.25 -0.4,-3.34 -0.45,93.26 53.01,93.33 53.2,51.64 41.94,36.33
5V1 on Bottom: 30.91,9.36 30.91,5.25 32.71,5.25 32.71,6.06 32.99,6.39 40.64,6.4 40.64,9.37
5V1 on In2.Cu: 53.56,93.44 96.16,92.97 96.21,-3.62 20.69,-3.1 20.68,19.15 53.18,51.95
